# Altium PCB DM1090FFC.PcbDoc (part 3 of 4)
Units mm, origin at the board's own origin, x right, y up, seen from the top; angles counter-clockwise.
Board outline 60 x 40 mm, 4 copper layers (Top Copper, Signal Layer 1, Layer 1, Bottom Layer), stack 1.602 mm thick; 129 components, 113 nets, 573 pads, 444 vias.
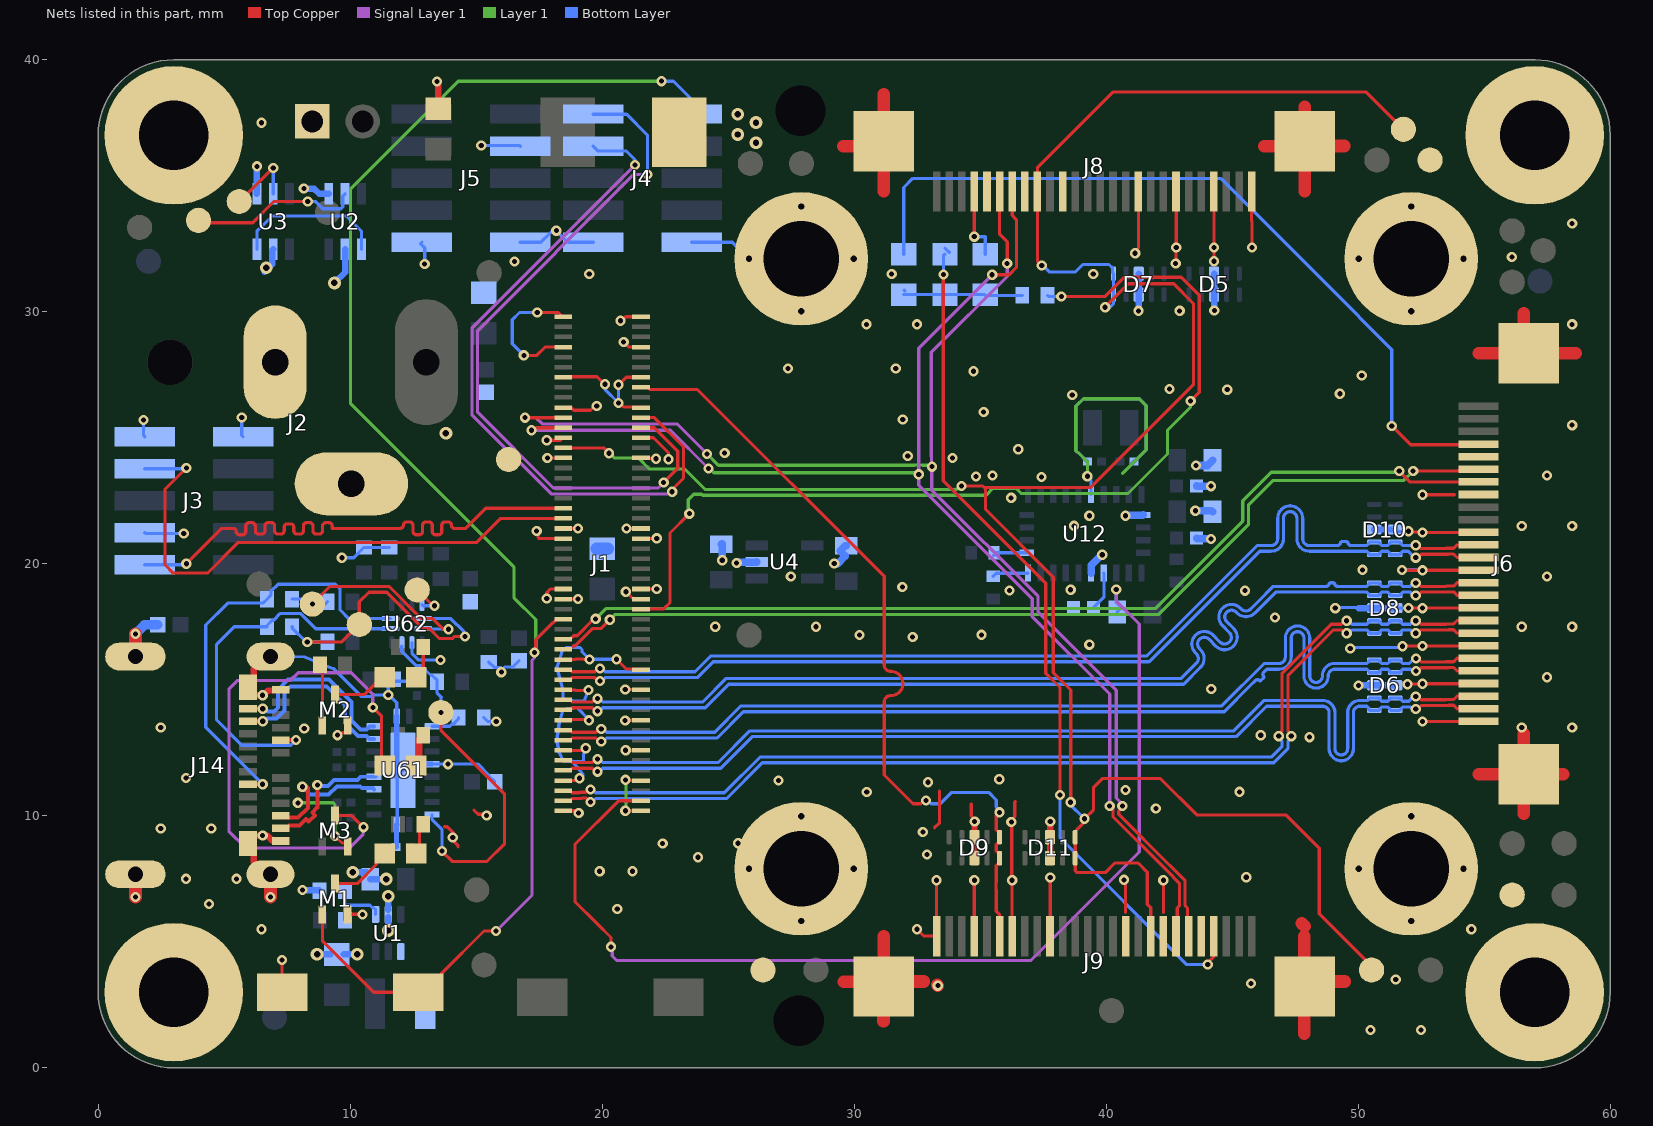
[diagram p5: the nets of this part, all layers, seen from the top]

## Via types
v1: diameter 0.406, hole 0.203, Top Copper to Bottom Layer, tented both sides, 378 vias
v2: diameter 0.508, hole 0.254, Top Copper to Bottom Layer, tented both sides, 47 vias
v3: diameter 0.508, hole 0.254, Top Copper to Bottom Layer, 16 vias
v4: diameter 0.406, hole 0.203, Top Copper to Bottom Layer, 3 vias

## Nets (pads, with @x,y where several pads share a name; then routed paths per layer and width w, separated by ;. In a path a pad name is that pad's centre, name@x,y a point inside that pad or via, vN(x,y) a via of type N, cw(c..) or ccw(c..) an arc to the next point about the centre after c; other vN are vias at no path point) (continued)
CAM_R_D1_P: D9.5 D9.6 J1.86 J9.6 | length 32.5
  Top Copper w0.127: J1.86@21.54,27 21.8,27 21.886,26.914 23.779,26.914 31.19,19.503 31.19,17.926 31.19,16.166 31.19,15.986 ccw(c31.444,15.986) 31.442,15.732 ; 31.442,15.732 31.454,15.732 cw(c31.451,15.25) 31.448,14.768 ; 31.446,14.768 ccw(c31.444,14.514) 31.19,14.514 31.19,13.686 31.19,11.621 32.333,10.477 32.641,10.477 32.774,10.611 v1(32.85,10.611) ; v1(35.768,10.138) 35.764,10.138 35.634,10.007 35.634,9.446 35.709,9.372 35.733,9.372 35.77,9.335 D9.6@35.77,9.152 35.77,8.97 35.733,8.933 35.709,8.933 35.634,8.859 35.634,8.611 35.709,8.537 35.733,8.537 35.77,8.5 D9.5@35.77,8.317 35.77,8.135 35.733,8.098 35.709,8.098 35.634,8.024 35.634,7.368 35.632,7.365 35.632,7.065 35.634,7.062 35.634,6.97 35.633,6.969 35.633,6.513 35.634,6.512 35.634,6.213 35.77,6.077 J9.6@35.77,5.427
  Bottom Layer w0.127: v1(32.85,10.611) 32.926,10.611 33.059,10.477 33.417,10.477 33.867,10.927 35.333,10.927 35.634,10.626 35.634,10.346 35.768,10.213 v1(35.768,10.138)
CAM_ST_CLK_OUT: D7.5 D7.6 D11.5 D11.6 J1.73 J8.18 J9.18 TP5.1 TP11.1 | length 99.5
  Top Copper w0.127: J1.73@18.46,24.6 20.061,24.6 v1(20.275,24.384) v1(20.275,24.384) ; v1(34.26,23.091) 35.089,23.091 35.15,23.03 35.215,23.03 ; v1(37.44,31.84) 37.27,32.01 J8.18@37.27,34.773 37.27,35.72 40.265,38.715 50.315,38.715 TP11.1@51.79,37.24 ; v1@38.538,10.488 v1(38.59,10.54) 38.59,14.993 37.9,15.683 37.9,19.47 35.215,22.155 35.215,23.03 ; v1(39.957,30.18) 39.957,30.197 40.87,31.11 42.68,31.11 43.461,30.329 43.461,27.1 39.391,23.03 35.215,23.03 ; J9.18@41.77,5.977 41.767,5.98 41.767,6.355 41.632,6.49 41.632,7.759 41.265,8.126 40.345,8.126 39.967,7.747 38.85,7.747 38.77,7.827 D11.5@38.77,8.317 D11.6@38.77,9.152 38.807,9.189 38.807,9.421 39.083,9.698 39.083,9.829 v1(39.137,9.882) 39.5,10.245 39.5,11.138 39.838,11.476 42.152,11.476 43.59,10.038 47.122,10.038 48.45,8.71 48.45,6.112 50.53,4.032 TP5.1@50.53,3.88
  Layer 1 w0.127: v1(20.275,24.384) 20.29,24.384 20.474,24.2 21.433,24.2 21.872,23.761 23.269,23.761 24.079,22.951 34.047,22.951 34.072,22.977 34.186,22.977 34.26,23.051 v1(34.26,23.091)
  Bottom Layer w0.127: v1@37.467,31.85 37.737,31.58 38.78,31.58 39.075,31.875 40.11,31.875 40.253,31.732 40.253,31.549 D7.6@40.29,31.513 D7.5@40.29,30.678 40.29,30.315 v1@40.109,30.134 ; v1@38.536,10.483 v1(39.137,9.882) ; v1(38.59,10.54) 38.611,10.54 v1@38.666,10.485
CAP: C46.1 U12.9 | length 1.5
  Bottom Layer w0.127: C46.1@39.499,18.268 39.908,18.677 39.908,19.617 U12.9@39.9,19.626
CC1: J14.A5 RZ28.2 U62.1 | length 14.9
  Top Copper w0.158: J14.A5@7.25,13 7.252,13.002 7.846,13.002 v1(7.849,13.005)
  Bottom Layer w0.127: v1(7.849,13.005) 7.644,12.8 5.7,12.8 4.7,13.8 4.7,16.8 5.4,17.5 RZ28.2@6.7,17.5 6.7,17.55 6.912,17.761 6.962,17.761 7.231,18.031 8.024,18.031 8.631,17.425 U62.1@11.6,17.425
CC2: J14.B5 RZ29.2 U62.2 | length 17
  Top Copper w0.152: J14.B5@5.95,11.25 5.951,11.251 6.527,11.251 v1(6.528,11.252)
  Bottom Layer w0.127: v1(6.528,11.252) 4.271,13.509 4.271,17.571 5.139,18.439 6.538,18.439 RZ29.2@6.7,18.6 6.858,18.758 6.858,18.908 7.14,19.19 9.41,19.19 9.6,19 9.6,18.167 9.942,17.825 U62.2@11.6,17.825
COM_AUX_IO2: J1.42 R14.1 | length 39.1
  Top Copper w0.127: J1.42@21.54,18.2 22.43,18.2 22.69,18.46 22.69,21.22 v1(23.46,21.99) ; v1(38.22,30.61) 39.96,30.61 40.72,31.37 42.98,31.37 43.69,30.66 43.69,26.8 v1(43.35,26.46)
  Layer 1 w0.127: v1(23.46,21.99) 23.414,22.036 23.414,22.544 23.63,22.759 23.947,22.759 23.984,22.722 35.232,22.722 35.505,22.995 36.425,22.995 36.631,22.789 40.866,22.789 42.433,24.356 42.433,25.303 43.35,26.22 v1(43.35,26.46)
  Bottom Layer w0.127: R14.1@37.67,30.65 37.71,30.61 v1(38.22,30.61)
ENV_SCL: R5.2 U12.15 | length 1.4
  Bottom Layer w0.127: R5.2@35.519,19.504 35.642,19.626 U12.15@36.9,19.626
ENV_SDA: R1.2 U12.16 | length 1.4
  Bottom Layer w0.127: R1.2@35.514,20.323 35.63,20.439 U12.16@36.837,20.439
FB_3V3: R2.1 R8.2 U1.1 | length 2.7
  Bottom Layer w0.127: R8.2@9.79,7.03 9.79,6.45 ; R2.1@9.8,5.86 9.79,5.87 9.79,6.45 ; U1.1@11.01,6.09 11.01,6.275 10.924,6.362 10.871,6.362 10.782,6.45 9.79,6.45
FSIN1: J8.23 R12.2 | length 2.9
  Top Copper w0.127: v1(34.764,32.979) 34.764,34.767 J8.23@34.77,34.773
  Bottom Layer w0.127: v1(34.764,32.979) 35.2,32.979 R12.2@35.2,32.28
FSIN2: J9.23 R13.2 | length 33.8
  Top Copper w0.127: v1(33.54,31.48) 33.534,31.474 33.534,23.296 37.6,19.23 37.6,15.66 38.168,15.092 v1(38.168,10.83) ; v1(44.03,4.095) 44.03,4.171 44.263,4.404 44.263,4.464 J9.23@44.27,4.47
  Bottom Layer w0.127: v1(33.54,31.48) 33.54,32.22 R13.2@33.6,32.28 ; R13.2@33.6,32.53 R13.2@33.77,32.36 ; v1(38.168,10.83) 38.168,9.122 43.195,4.095 v1(44.03,4.095)
FSIN3: J6.23 R10.2 | length 31.8
  Top Copper w0.127: v1(51.33,25.47) 52.08,24.72 54.74,24.72 J6.23@54.77,24.75
  Bottom Layer w0.127: R10.2@31.97,32.28 31.97,34.93 32.33,35.29 44.54,35.29 48.724,31.106 51.33,28.5 v1(51.33,25.47)
GND: B1.1 C1.1 C2.2 C3.1 C4.1 C5.1 C6.1 C7.1 C8.1 C9.1 C10.1 C42.1 C43.1 C44.1 C45.1 C46.2 C47.1 C48.1 C73.1 C74.1 C76.1 C207.1 D3.2 D5.3 D5.8 D6.3 D6.8 D7.3 D7.8 D8.3 D8.8 D9.3 D9.8 D10.3 D10.8 D11.3 D11.8 J1.1 J1.2 J1.7 J1.8 J1.13 J1.14 J1.19 J1.20 J1.25 J1.26 J1.30 J1.31 J1.43 J1.44 J1.45 J1.46 J1.55 J1.56 J1.57 J1.58 J1.71 J1.72 J1.75 J1.76 J1.81 J1.82 J1.87 J1.88 J1.93 J1.94 J1.99 J1.100 J2.2 J2.3 J3.3 J3.9 J3.10 J4.9 J4.10 J5.3 J5.9 J5.10 J6.1 J6.4 J6.7 J6.10 J6.13 J6.16 J6.19 J6.22 J6.MP1 J6.MP2 J7.P1 J8.1 J8.4 J8.7 J8.10 J8.16 J8.19 J8.22 J8.MP1 J8.MP2 J9.1 J9.4 J9.7 J9.10 J9.16 J9.19 J9.22 J9.MP1 J9.MP2 J14.A1 J14.A12 J14.B1 J14.B12 J14.SH1 J14.SH2 J14.SH3 J14.SH4 M1.2 M2.2 M3.2 MTG1.1 MTG2.1 MTG3.1 MTG4.1 MTG7.1 MTG8.1 MTG9.1 MTG10.1 R8.1 R31.2 R32.2 R183.1 R185.2 TP14.1 TP15.1 TP16.1 TP17.1 U1.2 U2.2 U2.4 U3.2 U3.4 U4.2 U12.2 U12.10 U12.25 U61.5 U61.11 U61.20 U61.21 U62.10 | length 233.3
  Top Copper w0.127: B1.1@7.3,3 v1(7.3,4.277) ; v1(9.4,9.2) 9.678,8.922 9.813,8.922 9.9,8.835 M3.2@9.9,8.79 ; v1(9.5,13.2) 9.576,13.2 9.674,13.299 9.882,13.299 9.913,13.33 9.913,13.517 M2.2@9.986,13.59 ; M1.2@10,6.09 10.37,6.09 10.378,6.082 v1(10.495,6.082) ; 13.752,9.563 13.858,9.563 14.097,9.324 14.097,9.013 14.275,8.835 14.275,8.76 ; 14.91,10.236 14.91,10.229 15.078,10.061 15.364,10.061 v1(15.418,10.008) ; v1(16.891,28.27) 17.405,28.27 17.735,28.6 J1.93@18.435,28.6 ; v1(17.4,21.3) 17.453,21.246 17.453,21.046 17.5,21 J1.55@18.435,21 ; v1(17.424,29.972) 18.263,29.972 J1.99@18.435,29.8 ; v1(17.8,18.62) 17.8,18.856 17.944,19 J1.45@18.435,19 ; v1(17.8,24.9) 18.335,24.9 J1.75@18.435,25 ; v1(17.824,24.2) J1.71@18.435,24.2 ; J1.7@18.435,11.4 J1.7@18.46,11.4 19.013,11.4 v1(19.102,11.489) ; J1.31@18.435,16.2 J1.31@18.46,16.2 18.925,16.2 18.947,16.222 19.253,16.222 19.275,16.2 v1(19.502,16.2) ; J1.43@18.435,18.6 J1.43@18.46,18.6 v1(19.038,18.6) ; J1.57@18.435,21.4 J1.57@18.46,21.4 v1(19.038,21.4) ; J1.25@18.449,14.986 18.939,14.986 18.947,14.978 19.442,14.978 v1(19.453,14.989) ; J1.87@18.451,27.416 18.457,27.422 19.796,27.422 20.094,27.124 v1(20.115,27.124) ; J1.1@18.46,10.2 18.985,10.2 v1(19.068,10.116) ; J1.13@18.46,12.6 18.7,12.6 18.71,12.59 19.257,12.59 v1(19.348,12.682) ; J1.19@18.46,13.825 19.44,13.825 v1(19.478,13.787) ; J1.81@18.46,26.2 18.487,26.174 18.797,26.174 18.88,26.09 19.539,26.09 19.712,26.263 v1(19.787,26.263) ; v1(20.569,16.213) 20.956,15.827 21.514,15.827 J1.30@21.54,15.8 ; v1(20.648,26.379) 20.699,26.379 20.862,26.216 21.524,26.216 J1.82@21.54,26.2 ; v1(20.652,27.103) 20.948,27.4 J1.88@21.54,27.4 ; v1(20.726,29.642) 20.782,29.642 20.94,29.8 J1.100@21.54,29.8 J1.100@21.565,29.8 ; v1(20.853,28.804) 21.057,28.6 J1.94@21.54,28.6 ; v1(20.912,13.784) 20.92,13.792 21.532,13.792 J1.20@21.54,13.8 ; v1(20.919,10.2) J1.2@21.54,10.2 J1.2@21.565,10.2 ; v1(20.918,15.016) 20.926,15.008 21.532,15.008 J1.26@21.54,15 ; v1(20.922,11.428) 20.95,11.4 J1.8@21.54,11.4 ; v1(20.931,12.6) J1.14@21.54,12.6 J1.14@21.565,12.6 ; v1(20.94,18.89) 21.203,18.627 21.514,18.627 J1.44@21.54,18.6 ; v1(20.962,21.4) J1.58@21.54,21.4 J1.58@21.565,21.4 ; J1.46@21.565,19 v1(22.168,19) ; J1.56@21.565,21 21.569,21.004 22.164,21.004 v1(22.168,21.008) ; J1.72@21.565,24.2 21.582,24.183 22.116,24.183 v1(22.134,24.165) ; J1.76@21.565,25 22.038,25 22.631,24.407 v1(22.631,24.147) ; v1(32.487,5.5) 32.498,5.5 32.771,5.227 J9.1@33.27,5.227 33.27,6.278 33.267,6.281 v1(33.267,7.444) ; 33.184,9.521 33.389,9.725 33.389,10.988 ; 34.641,10.463 34.641,9.992 34.775,9.858 v1@34.775,9.773 ; v1(34.767,7.444) 34.767,5.23 J9.4@34.77,5.227 ; J9.7@36.27,5.227 36.267,5.23 v1(36.267,7.444) 36.251,7.461 36.251,9.737 v1(36.235,9.754) 36.235,9.829 36.373,9.967 36.373,10.543 36.4,10.57 ; J9.10@37.77,5.227 37.78,5.237 v1(37.78,7.55) ; v1(40.71,7.46) 40.767,7.403 40.767,6.174 ; v1(41.149,32.321) 41.149,32.397 41.28,32.528 J8.10@41.28,34.773 ; 42.267,6.175 v1(42.267,7.444) ; v1(42.754,31.912) 42.767,31.925 42.767,32.54 v1(42.78,32.553) 42.775,32.558 42.775,34.768 J8.7@42.77,34.773 ; J8.4@44.27,34.773 44.275,34.768 44.275,32.558 v1(44.28,32.553) 44.278,32.551 44.278,32.008 v1(44.276,32.005) ; J8.1@45.77,34.773 45.77,33.602 45.78,33.592 v1(45.78,32.553) ; v1(51.74,19.754) 51.747,19.747 52.543,19.747 v1(52.55,19.74) 54.76,19.74 J6.13@54.77,19.75 ; v1(51.752,16.727) 51.758,16.734 52.544,16.734 v1(52.55,16.74) 54.76,16.74 J6.7@54.77,16.75 ; v1(51.956,15.219) 51.966,15.229 52.539,15.229 v1(52.55,15.24) 54.76,15.24 J6.4@54.77,15.25 ; v1(51.99,18.247) 51.994,18.244 52.546,18.244 v1(52.55,18.24) 54.76,18.24 J6.10@54.77,18.25 ; v1(51.99,21.293) 52.016,21.266 52.524,21.266 v1(52.55,21.24) 54.76,21.24 J6.16@54.77,21.25 ; v1(52.55,13.74) 54.76,13.74 J6.1@54.77,13.75 ; v1(52.55,22.74) 53.82,22.74 ; J6.MP2@56.67,27.85 56.73,27.91 56.73,28.35 J6.MP2@56.73,29.46
  Top Copper w0.25: J14.SH4@6.84,7.68 6.67,7.68 6.175,8.175 6.175,8.675 5.95,8.9 6.27,9.22 v1(6.528,9.22) 6.709,9.22 6.93,9 J14.A12@7.25,9 ; J14.SH1@6.84,16.32 6.67,16.32 6.175,15.825 6.175,15.621 6.175,15.325 J14.B12@5.95,15.1 5.95,15.008 6.175,14.783 v1(6.528,14.783) 6.56,14.783 6.752,14.975 7.225,14.975 J14.A1@7.25,15
  Top Copper w0.254: J7.P1@7.97,37.02 J7.P1@8.5,37.55 ; v1(13.446,39.139) 13.446,39.098 13.5,39.043 C3.1@13.5,38.05 ; D9.3@34.77,8.317 34.775,8.323 v1@34.775,9.773 ; D11.3@37.77,8.317 37.775,8.323 37.775,9.773 v1(37.78,9.778)
  Top Copper w0.5: 29.574,36.568 J8.MP2@31.165,36.568 ; 29.59,3.419 31.162,3.419 J9.MP1@31.165,3.422 ; 31.162,1.856 J9.MP1@31.162,3.019 ; 31.165,5.218 J9.MP1@31.165,3.422 ; J9.MP1@31.17,3.327 J9.MP1@31.17,3.427 ; J9.MP1@31.17,3.827 J9.MP1@31.17,3.427 ; 31.17,34.777 J8.MP2@31.17,36.773 31.17,38.635 ; 32.761,3.427 J9.MP1@31.17,3.427 ; v1@33.29,3.29 v1(33.32,3.26) ; 46.274,36.568 J8.MP1@47.865,36.568 ; 47.757,5.736 47.87,5.623 ; 47.865,1.36 47.865,5.218 ; J9.MP2@47.866,3.823 J9.MP2@47.875,3.832 ; J9.MP2@47.87,3.427 49.461,3.427 ; 47.87,34.777 J8.MP1@47.87,36.573 ; J8.MP1@47.874,36.577 49.445,36.577 ; J8.MP1@47.874,36.977 47.874,38.139 ; 54.774,11.65 J6.MP1@56.57,11.65 ; 54.774,28.35 J6.MP2@56.67,28.35 ; J6.MP1@56.565,11.655 56.565,13.246 ; J6.MP2@56.565,28.355 56.565,29.946 ; 56.574,10.075 J6.MP1@56.574,11.646 ; J6.MP2@56.67,27.85 J6.MP2@56.67,28.35 ; J6.MP1@56.974,11.646 58.136,11.646 ; 58.632,28.35 J6.MP2@56.77,28.35 56.73,28.35 J6.MP2@56.67,28.35 ; J9.MP1@31.165,3.422 J9.MP1@31.17,3.427
  Top Copper w0.508: v1(1.48,6.78) J14.SH3@1.48,7.68 ; J14.SH2@1.48,16.32 v1(1.48,17.22) ; v1(6.84,6.78) J14.SH4@6.84,7.68
  Layer 1 w0.127: v1(7.925,10.516) 9.326,10.516 9.4,10.441 v1(9.4,9.2) ; v1(20.919,10.2) 20.95,10.232 20.95,11.4 v1(20.922,11.428) ; v1(39.252,23.474) 39.252,24.066 39.232,24.066 38.884,24.414 38.868,24.414 38.794,24.489 38.794,26.243 39.099,26.548 41.309,26.548 41.588,26.269 41.588,24.527 40.651,23.589
  Bottom Layer w0.127: v1(1.8,25.7) 1.8,25.09 J3.9@1.85,25.04 ; J3.3@1.85,21.23 1.88,21.2 v1(3.4,21.2) ; v1(5.7,25.8) 5.7,25.09 J3.10@5.75,25.04 ; J14.SH1@6.84,16.32 8.2,16.3 9.347,15.833 10.441,14.74 10.884,14.74 10.94,14.795 v1(11.513,14.795) ; v1(9.672,20.241) 10.142,20.241 R31.2@10.55,20.65 R32.2@11.55,20.65 ; U61.11@11.85,9.65 11.87,9.67 11.87,11.57 U61.21@12.1,11.8 U61.21@12.35,12.05 ; U61.20@11.85,13.95 11.85,14.486 11.513,14.824 11.513,15.237 C76.1@11.7,15.425 11.788,15.337 C10.1@12.655,15.337 ; U62.10@12.45,16.875 12.45,16.455 12.725,16.18 v1(13.589,16.18) ; J5.10@12.85,32.76 12.79,32.7 12.957,32.533 v1(12.957,31.9) ; U61.5@13.25,12.05 v1(13.883,12.05) 15.078,12.05 15.487,11.641 15.487,11.6 C74.1@15.734,11.354 ; v1(15.2,36.6) 16.72,36.6 J5.3@16.75,36.57 ; R185.2@15.3,13.9 15.459,13.741 v1(15.799,13.741) ; R183.1@15.5,16.1 15.712,15.889 15.962,15.889 16,15.85 v1@16,15.774 ; v1(16,15.7) v1@16,15.774 ; C73.1@16.7,16.15 16.454,15.904 16.129,15.904 v1@16,15.774 ; J5.9@16.75,32.76 17.57,32.76 17.974,33.164 18.129,33.164 v1(18.183,33.217) ; v1(16.891,28.27) 16.434,28.727 16.434,29.686 16.72,29.972 v1(17.424,29.972) ; v1@18.2,33.2 18.64,32.76 J4.10@19.65,32.76 ; 18.4,16.5 18.2,15.9 18.442,14.993 18.452,14.583 19.272,14.545 19.456,14.986 v1(19.453,14.989) ; 18.572,16.672 19.126,16.672 19.2,16.598 19.2,16.502 v1(19.502,16.2) 19.518,16.216 20.566,16.216 v1(20.569,16.213) ; v1(19.102,11.489) 19.222,11.489 19.229,11.637 19.229,11.659 18.812,12.166 ; v1(19.348,12.682) 19.295,12.628 19.295,12.5 19.262,12.467 19.262,12.162 19.246,12.146 19.129,12.152 18.812,12.166 ; v1(19.478,13.787) 19.49,13.799 19,14.3 18.452,14.217 18.3,13.7 18.2,13 18.3,12.5 18.452,12.183 18.812,12.166 ; v1(20.115,27.124) 20.115,26.911 v1(20.648,26.379) 20.652,26.382 v1(20.652,27.103) ; J4.9@23.55,32.76 25.165,32.76 v3(25.825,32.1) ; U12.25@39.4,22.751 39.4,23.326 v1(39.252,23.474) C47.1@39.252,24.066 39.232,24.066 38.884,24.414 38.868,24.414 38.794,24.489 38.794,26.243 39.099,26.548 41.309,26.548 41.588,26.269 41.588,24.527 41.128,24.066 C48.1@41.108,24.066 41.088,24.066 C48.1@40.991,23.97 ; v1(49.09,18.24) 49.114,18.264 49.99,18.264 50.019,18.235 ; v1(49.685,16.637) 49.73,16.682 51.707,16.682 v1(51.752,16.727) ; D8.8@51.465,18.235 D8.8@51.47,18.24 51.48,18.25 v1@51.99,18.25 ; D10.8@51.47,21.36 51.549,21.281 v1@51.99,21.281 ; v1(51.74,19.754) 51.746,19.76 v1@52.55,19.76
  Bottom Layer w0.203: C9.1@11.824,8.756 11.837,8.769 11.837,9.637 U61.11@11.85,9.65 ; U61.21@11.85,11.55 U61.20@11.85,13.95 ; U61.21@12.35,12.05 U61.5@13.25,12.05
  Bottom Layer w0.254: U3.4@6.3,34.68 6.285,34.695 6.3,34.71 v1(6.3,35.769) ; v2@6.603,31.584 v2@6.67,31.651 ; v2(6.67,31.747) v2@6.67,31.651 ; U3.2@6.95,32.48 6.902,32.432 6.902,31.883 v2@6.67,31.651 ; J2.3@7.025,28 J2.3@7.1,27.925 ; v1(8.11,7.06) 8.125,7.045 8.775,7.045 R8.1@8.79,7.03 ; v1(8.163,34.887) 8.569,34.887 8.776,34.68 U2.4@9.15,34.68 ; v2(8.689,4.506) C2.2@9.219,4.506 ; v2(9.375,31.145) 9.8,31.571 U2.2@9.8,32.48 ; C2.2@9.754,4.506 v2(10.284,4.506) ; v2(10.107,7.763) C1.1@10.637,7.763 ; C1.1@10.8,7.48 11.42,7.48 v2(11.43,7.49) ; v2(11.51,5.45) U1.2@11.51,5.98 ; U1.2@11.51,6.28 v2(11.51,6.81) ; v1(41.283,30.037) 41.287,30.041 41.287,30.674 D7.3@41.29,30.678 ; D7.8@41.29,31.513 41.295,31.508 D7.3@41.295,30.678 ; D5.8@44.28,31.513 44.285,31.508 44.285,30.057 v1(44.29,30.053) ; v1(50.01,15.17) 50.015,15.175 51.465,15.175 D6.8@51.47,15.18 ; 50.019,18.235 D8.8@51.465,18.235 ; D10.3@50.635,21.36 D10.8@51.47,21.36
  Bottom Layer w0.3: C6.1@24.722,20.771 24.754,20.803 24.767,20.79 v1(24.767,20.138) ; v1@25.341,20.04 25.356,20.055 26.121,20.055 U4.2@26.137,20.071 ; v1(29.209,20.009) 29.344,20.009 29.644,20.309 29.444,20.509 29.644,20.709 C7.1@29.684,20.709 ; U12.10@39.4,19.626 39.4,19.944 39.794,20.338 39.824,20.338 v1(39.844,20.359) ; v1(40.765,21.905) 40.782,21.922 41.445,21.922 U12.2@41.462,21.939 ; v1(43.537,22.105) 44.174,22.105 C42.1@44.22,22.059 ; v1(43.566,23.9) 44.02,23.9 44.22,24.1 C43.1@44.22,24.109 ; C45.1@43.584,21.019 43.605,20.999 44.134,20.999 v1(44.154,20.979) ; C44.1@43.584,23.089 43.589,23.084 44.15,23.084 v1(44.154,23.079)
  Bottom Layer w0.381: v1(1.48,17.22) 1.837,17.577 C207.1@2.369,17.577
  Bottom Layer w0.508: C4.1@19.788,20.6 C4.1@20,20.6 C4.1@20.212,20.6
  other v1: 50.487,1.5 52.487,1.5 45.749,3.343 51.487,3.5 6.487,5.5 54.487,5.5 20.6,6.3 4.4,6.5 3.487,7.5 5.487,7.5 45.557,7.564 19.9,7.8 21.2,7.8 23.806,8.358 32.89,8.46 22.4,8.9 25.395,8.913 14.072,9.144 32.724,9.353 2.487,9.5 4.487,9.5 34.78,9.778 41.97,10.29 30.5,10.94 45.29,10.95 40.764,11.027 32.927,11.329 27,11.4 35.754,11.452 3.487,11.5 48.07,13.12 46.13,13.196 8.181,13.464 2.487,13.5 56.487,13.5 58.487,13.5 44.168,15.03 57.487,15.5 39.33,16.79 32.32,17.09 30.21,17.17 35.05,17.18 24.487,17.5 28.487,17.5 56.487,17.5 58.487,17.5 46.695,17.864 36.16,18.94 45.509,18.933 38.588,18.97 31.91,19.08 27.487,19.5 57.487,19.5 50.17,19.76 25.337,20.033 38.723,21.506 56.487,21.5 58.487,21.5 39.331,21.905 36.227,22.617 34.83,23.46 37.428,23.448 35.487,23.5 57.487,23.5 33.902,24.2 32.124,24.276 24.861,24.393 36.507,24.546 58.487,25.5 31.925,25.721 35.138,26.027 38.65,26.7 49.27,26.749 44.8,26.91 42.516,26.936 50.14,27.47 34.733,27.64 27.37,27.75 31.65,27.75 30.487,29.5 32.487,29.5 58.487,29.5 42.913,30.037 19.487,31.5 31.487,31.5 39.487,31.5 16.52,31.99 56.095,32.17 58.487,33.5 6.487,37.5
  other v2: 13.8,25.178 26.103,36.706 25.383,37.035 26.103,37.507 25.383,37.835
  other v3: 27.9,5.825 52.1,5.825 25.825,7.9 29.975,7.9 50.025,7.9 54.175,7.9 27.9,9.975 52.1,9.975 27.9,30.025 52.1,30.025 29.975,32.1 50.025,32.1 54.175,32.1 27.9,34.175 52.1,34.175
I2C1_SCL: J1.35 J6.20 | length 39
  Top Copper w0.127: J1.35@18.46,17 18.72,17 18.865,17.145 19.005,17.145 19.676,17.816 v1(19.741,17.816) ; v1(51.627,23.678) 51.627,23.671 52.058,23.24 54.01,23.24 J6.20@54.02,23.25
  Layer 1 w0.127: v1(19.741,17.816) 20.147,18.222 41.942,18.222 45.415,21.695 45.415,22.495 46.55,23.63 51.579,23.63 v1(51.627,23.678)
I2C1_SDA: J1.33 J6.21 | length 38.9
  Top Copper w0.127: J1.33@18.46,16.6 18.72,16.6 18.865,16.745 18.928,16.745 19.62,17.437 19.962,17.437 v1(20.305,17.781) ; v1@52.203,23.68 53.95,23.68 J6.21@54.02,23.75
  Layer 1 w0.127: v1(20.305,17.781) 20.518,17.993 42.083,17.993 45.644,21.554 45.644,22.322 46.631,23.31 51.81,23.31 v1(52.18,23.68)
I2C2_SCL: J1.77 J8.20 J9.20 | length 52.6
  Top Copper w0.127: v1(17.2,25.3) 17.276,25.3 17.376,25.4 J1.77@18.435,25.4 ; v1(35.474,31.467) 36.148,31.467 36.438,31.757 36.438,33.655 36.27,33.823 J8.20@36.27,34.773 ; v1(40.137,10.39) 40.27,10.257 40.27,9.96 42.418,7.813 42.42,7.813 42.903,7.33 42.903,6.426 42.82,6.343 42.82,6.027 J9.20@42.77,5.977
  Signal Layer 1 w0.127: v1(17.2,25.3) 22.7,25.3 v1(24.22,23.78) ; v1(35.474,31.467) 32.56,28.552 32.56,23.117 37.067,18.61 37.067,17.905 40.14,14.832 40.14,10.393 v1(40.137,10.39)
  Layer 1 w0.127: v1(24.22,23.78) 24.264,23.78 24.434,23.61 32.498,23.61 v1(32.56,23.548)
I2C2_SDA: J1.79 J8.21 J9.21 | length 53
  Top Copper w0.127: v1(16.942,25.799) 16.944,25.796 18.431,25.796 J1.79@18.435,25.8 ; J8.21@35.77,34.773 35.77,33.07 36.07,32.77 v1(36.07,31.91) ; v1(40.64,10.39) 40.64,10.331 40.499,10.19 40.499,10.055 42.512,8.041 42.515,8.041 43.132,7.424 43.132,6.436 43.225,6.343 43.225,6.022 J9.21@43.27,5.977
  Signal Layer 1 w0.127: v1(16.942,25.799) 17.371,25.799 17.62,25.55 22.971,25.55 v1(24.16,24.36) ; v1(36.07,31.91) 36.07,31.4 33.06,28.39 33.06,24.27 33.066,24.264 33.066,23.878 v1(33.089,23.855) 33.08,23.845 33.08,22.92 37.295,18.705 37.295,18.082 40.4,14.977 40.4,10.706 40.64,10.466 v1(40.64,10.39)
  Layer 1 w0.127: v1(24.16,24.36) 24.614,23.907 32.398,23.907 32.408,23.917 32.713,23.917 32.722,23.907 33.036,23.907 v1(33.089,23.855)
I2C3_SCL: J1.78 J4.2 | length 28.6
  Top Copper w0.127: J1.78@21.565,25.4 22.07,25.4 22.999,24.471 22.999,23.789 v1(22.44,23.23)
  Signal Layer 1 w0.127: v1(21.8,35.45) 21.26,35.45 15.059,29.249 15.059,26.011 18.063,23.007 22.217,23.007 v1(22.44,23.23)
  Bottom Layer w0.127: J4.2@19.65,37.84 20.97,37.84 21.8,37.01 v1(21.8,35.45)
I2C3_SDA: J1.80 J4.4 | length 28.1
  Top Copper w0.127: J1.80@21.565,25.8 22.07,25.8 23.228,24.642 23.228,23.399 22.777,22.947 v1(22.777,22.86)
  Signal Layer 1 w0.127: v1(21.3,35.818) 21.3,35.813 14.83,29.343 14.83,25.917 17.973,22.774 22.691,22.774 v1(22.777,22.86)
  Bottom Layer w0.127: J4.4@19.65,36.57 19.846,36.374 20.966,36.374 21.3,36.04 v1(21.3,35.818) ; v1(22.777,22.86) v1@22.839,22.86
MIPI_C_N: D8.1 D8.10 J1.3 J6.8 | length 41.3
  Top Copper w0.127: J1.3@18.46,10.6 18.72,10.6 18.806,10.686 19.19,10.686 19.211,10.707 19.377,10.707 v1@19.432,10.652 ; v1(47.342,13.16) 47.342,13.236 47.209,13.369 47.209,15.564 49.02,17.376 49.331,17.376 49.464,17.242 v1(49.54,17.242) ; v1(52.28,17.242) 52.356,17.242 52.489,17.376 53.57,17.376 53.579,17.386 53.784,17.386 53.92,17.25 J6.8@54.57,17.25
  Bottom Layer w0.127: v1(19.533,10.552) 19.608,10.552 19.742,10.686 24.942,10.686 26.358,12.101 46.645,12.101 47.209,12.665 47.209,12.951 47.342,13.084 v1(47.342,13.16) ; v1(49.54,17.242) 49.616,17.242 49.749,17.376 50.342,17.376 50.416,17.301 50.416,17.277 50.453,17.24 D8.1@50.635,17.24 50.818,17.24 50.854,17.277 50.854,17.301 50.928,17.376 51.177,17.376 51.251,17.301 51.251,17.277 51.287,17.24 D8.10@51.47,17.24 51.653,17.24 51.689,17.277 51.689,17.301 51.763,17.376 52.071,17.376 52.204,17.242 v1(52.28,17.242)
MIPI_C_P: D8.2 D8.9 J1.5 J6.9 | length 41.4
  Top Copper w0.127: J1.5@18.46,11 18.72,11 18.806,10.914 19.095,10.914 19.117,10.936 19.345,10.936 19.457,11.048 v1@19.485,11.048 ; v1(46.847,13.16) 46.847,13.236 46.98,13.369 46.98,15.659 48.925,17.604 49.331,17.604 49.464,17.738 v1(49.54,17.738) ; v1(52.28,17.738) 52.356,17.738 52.489,17.604 53.475,17.604 53.485,17.614 53.784,17.614 53.92,17.75 J6.9@54.57,17.75
  Bottom Layer w0.127: v1(19.533,11.048) 19.608,11.048 19.742,10.914 24.848,10.914 26.263,12.33 46.55,12.33 46.98,12.76 46.98,12.951 46.847,13.084 v1(46.847,13.16) ; v1(49.54,17.738) 49.616,17.738 49.749,17.604 50.342,17.604 50.416,17.679 50.416,17.704 50.453,17.74 D8.2@50.635,17.74 50.818,17.74 50.854,17.704 50.854,17.679 50.928,17.604 51.177,17.604 51.251,17.679 51.251,17.704 51.287,17.74 D8.9@51.47,17.74 51.653,17.74 51.689,17.704 51.689,17.679 51.763,17.604 52.071,17.604 52.204,17.738 v1(52.28,17.738)
MIPI_D0_N: D6.1 D6.10 J1.9 J6.2 | length 41.4
  Top Copper w0.127: J1.9@18.46,11.8 18.72,11.8 18.806,11.886 19.603,11.886 19.736,11.752 v1(19.812,11.752) ; v1(52.28,14.242) 52.356,14.242 52.489,14.376 53.57,14.376 53.579,14.386 53.784,14.386 53.92,14.25 J6.2@54.57,14.25
  Bottom Layer w0.127: v1(19.812,11.752) 19.888,11.752 20.021,11.886 24.702,11.886 25.958,13.141 45.151,13.141 46.359,14.349 48.007,14.349 48.59,14.349 cw(c48.59,14.095) 48.844,14.095 48.844,12.667 ccw(c49.326,12.667) 49.808,12.667 49.808,14.095 cw(c50.062,14.095) 50.062,14.349 50.24,14.349 50.342,14.349 50.416,14.275 50.416,14.216 50.453,14.18 D6.1@50.635,14.18 50.818,14.18 50.854,14.216 50.854,14.241 50.928,14.316 51.177,14.316 51.251,14.241 51.251,14.216 51.287,14.18 D6.10@51.47,14.18 51.653,14.18 51.689,14.216 51.689,14.241 51.763,14.316 52.066,14.316 52.086,14.296 52.227,14.296 v1(52.28,14.242)
MIPI_D0_P: D6.2 D6.9 J1.11 J6.3 | length 41.4
  Top Copper w0.127: J1.11@18.46,12.2 18.72,12.2 18.806,12.114 19.603,12.114 19.736,12.248 v1(19.812,12.248) ; v1(52.28,14.738) 52.356,14.738 52.489,14.604 53.475,14.604 53.485,14.614 53.784,14.614 53.92,14.75 J6.3@54.57,14.75
  Bottom Layer w0.127: v1(19.812,12.248) 19.888,12.248 20.021,12.114 24.608,12.114 25.863,13.37 45.057,13.37 46.264,14.578 46.998,14.578 48.007,14.578 48.59,14.578 cw(c48.59,14.095) 49.072,14.095 49.072,12.667 ccw(c49.326,12.667) 49.58,12.667 49.58,14.095 cw(c50.062,14.095) 50.062,14.578 50.24,14.578 50.375,14.578 D6.2@50.409,14.611 ; D6.2@50.453,14.68 D6.2@50.635,14.68 50.818,14.68 50.854,14.643 50.854,14.619 50.928,14.544 51.177,14.544 51.251,14.619 51.251,14.643 51.287,14.68 D6.9@51.47,14.68 51.653,14.68 51.689,14.643 51.689,14.619 51.763,14.544 52.011,14.544 52.204,14.738 v1(52.28,14.738)
MIPI_D1_N: D6.4 D6.7 J1.15 J6.5 | length 41.4
  Top Copper w0.127: J1.15@18.46,13 18.72,13 18.806,13.086 19.755,13.086 19.889,12.952 v1(19.964,12.952) ; v1(52.29,15.742) 52.366,15.742 52.499,15.876 53.569,15.876 53.579,15.886 53.784,15.886 53.92,15.75 J6.5@54.57,15.75
  Bottom Layer w0.127: v1(19.964,12.952) 20.04,12.952 20.173,13.086 24.559,13.086 25.605,14.131 44.681,14.131 45.705,15.155 45.911,15.361 cw(c46.001,15.272) 46.081,15.371 46.083,15.369 ccw(c46.108,15.393) 46.132,15.369 46.245,15.481 ccw(c46.22,15.506) 46.245,15.53 cw(c46.341,15.612) 46.252,15.702 46.329,15.779 cw(c46.419,15.689) 46.41,15.816 46.5,15.816 46.678,15.816 46.856,15.816 ccw(c46.856,16.298) 47.338,16.298 47.338,17.053 cw(c47.592,17.053) 47.845,17.053 47.845,15.548 ccw(c48.328,15.548) 48.81,15.548 48.81,15.562 cw(c49.064,15.562) 49.064,15.816 49.854,15.816 50.342,15.816 D6.4@50.409,15.749 ; D6.4@50.453,15.68 D6.4@50.635,15.68 50.818,15.68 50.854,15.716 50.854,15.741 50.928,15.816 51.177,15.816 51.251,15.741 51.251,15.716 51.287,15.68 D6.7@51.47,15.68 51.653,15.68 51.689,15.716 51.689,15.741 51.763,15.816 52.076,15.816 52.096,15.796 v1@52.309,15.796
MIPI_D1_P: D6.5 D6.6 J1.17 J6.6 | length 41.4
  Top Copper w0.127: J1.17@18.46,13.4 18.72,13.4 18.806,13.314 19.755,13.314 19.889,13.448 v1(19.964,13.448) ; v1(52.29,16.238) 52.366,16.238 52.499,16.104 53.475,16.104 53.485,16.114 53.784,16.114 53.92,16.25 J6.6@54.57,16.25
  Bottom Layer w0.127: v1(19.964,13.448) 20.04,13.448 20.173,13.314 24.464,13.314 25.51,14.36 44.587,14.36 46.271,16.044 46.678,16.044 46.856,16.044 ccw(c46.856,16.298) 47.109,16.298 47.109,17.053 cw(c47.592,17.053) 48.074,17.053 48.074,15.548 ccw(c48.328,15.548) 48.581,15.548 48.581,15.562 cw(c49.064,15.562) 49.064,16.044 49.854,16.044 50.342,16.044 50.416,16.119 50.416,16.144 50.453,16.18 D6.5@50.635,16.18 50.818,16.18 50.854,16.144 50.854,16.119 50.928,16.044 51.177,16.044 51.251,16.119 51.251,16.144 51.287,16.18 D6.6@51.47,16.18 51.653,16.18 51.689,16.144 51.689,16.119 51.763,16.044 52.021,16.044 52.214,16.238 v1(52.29,16.238)
MIPI_D2_N: D8.4 D8.7 J1.21 J6.11 | length 41.4
  Top Copper w0.127: J1.21@18.46,14.2 18.72,14.2 18.806,14.286 19.609,14.286 19.742,14.152 v1(19.812,14.152) v1@19.812,14.279 ; v1(52.28,18.742) 52.356,18.742 52.489,18.876 53.57,18.876 53.579,18.886 53.784,18.886 53.92,18.75 J6.11@54.57,18.75
  Bottom Layer w0.127: v1(19.812,14.152) 19.888,14.152 20.021,14.286 24.089,14.286 25.025,15.221 43.071,15.221 43.74,15.89 ; 43.702,17.005 ccw(c43.891,16.817) 43.703,16.628 ; 43.703,16.628 43.74,16.591 cw(c43.391,16.241) 43.741,16.59 43.774,16.557 43.774,16.554 cw(c43.391,16.241) 43.741,15.891 ; 43.703,17.006 cw(c43.891,16.817) 44.08,17.005 44.35,16.735 ccw(c44.701,17.084) 45.084,17.397 45.084,17.401 45.051,17.434 ccw(c44.701,17.084) 45.05,17.435 44.78,17.705 cw(c44.968,17.894) 44.779,18.082 ; 44.78,18.083 cw(c44.968,17.894) 45.157,18.082 45.194,18.045 ccw(c45.544,18.394) 45.895,18.045 46.429,18.579 ; 46.43,18.58 46.726,18.876 50.342,18.876 50.416,18.801 50.416,18.777 50.453,18.74 D8.4@50.635,18.74 50.818,18.74 50.854,18.777 50.854,18.801 50.928,18.876 51.177,18.876 51.251,18.801 51.251,18.777 51.287,18.74 D8.7@51.47,18.74 51.653,18.74 51.689,18.777 51.689,18.801 51.763,18.876 52.071,18.876 52.204,18.742 v1(52.28,18.742)
MIPI_D2_P: D8.5 D8.6 J1.23 J6.12 | length 41.4
  Top Copper w0.127: J1.23@18.46,14.6 18.72,14.6 18.806,14.514 19.609,14.514 19.742,14.648 v1(19.812,14.648) ; v1(52.28,19.238) 52.356,19.238 52.489,19.104 53.475,19.104 53.485,19.114 53.784,19.114 53.92,19.25 J6.12@54.57,19.25
  Bottom Layer w0.127: v1(19.812,14.648) 19.888,14.648 20.021,14.514 23.994,14.514 24.93,15.45 42.977,15.45 43.453,15.927 43.578,16.052 ; 43.578,16.43 43.542,16.467 cw(c43.891,16.817) 43.541,17.167 cw(c43.891,16.817) 44.204,17.201 44.208,17.201 44.24,17.168 cw(c43.891,16.817) 44.242,17.167 44.512,16.897 ; 43.579,16.052 ccw(c43.391,16.241) 43.578,16.43 ; 44.512,16.896 ccw(c44.701,17.084) 44.888,17.274 44.618,17.543 cw(c44.968,17.894) 44.618,18.244 cw(c44.968,17.894) 45.281,18.278 45.284,18.277 45.317,18.245 cw(c44.968,17.894) 45.318,18.243 45.355,18.207 ccw(c45.544,18.394) 45.733,18.206 46.267,18.741 46.393,18.867 46.631,19.104 48.65,19.104 48.725,19.104 ccw(c48.725,19.231) 48.841,19.178 cw(c48.909,19.178) 48.909,19.246 49,19.246 cw(c49,19.178) 49.069,19.178 ccw(c49.184,19.231) 49.184,19.104 49.606,19.104 49.67,19.104 50.342,19.104 50.416,19.179 50.416,19.204 50.453,19.24 D8.5@50.635,19.24 50.818,19.24 50.854,19.204 50.854,19.179 50.928,19.104 51.177,19.104 51.251,19.179 51.251,19.204 51.287,19.24 D8.6@51.47,19.24 51.653,19.24 51.689,19.204 51.689,19.179 51.763,19.104 52.071,19.104 52.204,19.238 v1(52.28,19.238)
MIPI_D3_N: D10.1 D10.10 J1.27 J6.14 | length 41.3
  Top Copper w0.127: J1.27@18.46,15.4 18.72,15.4 18.806,15.486 19.705,15.486 19.838,15.352 v1(19.914,15.352) ; v1(52.28,20.242) 52.356,20.242 52.489,20.376 53.57,20.376 53.579,20.386 53.784,20.386 53.92,20.25 J6.14@54.57,20.25
  Bottom Layer w0.127: v1(19.914,15.352) 19.989,15.352 20.123,15.486 23.779,15.486 24.405,16.111 41.701,16.111 46.086,20.496 46.538,20.496 ccw(c46.538,20.991) 47.033,20.991 47.033,21.805 cw(c47.299,21.805) 47.299,22.071 cw(c47.299,21.805) 47.566,21.805 47.566,20.991 ccw(c48.061,20.991) 48.061,20.496 50.342,20.496 50.416,20.421 50.416,20.396 50.453,20.36 D10.1@50.635,20.36 50.818,20.36 50.854,20.396 50.854,20.421 50.928,20.496 51.177,20.496 51.251,20.421 51.251,20.396 51.287,20.36 D10.10@51.47,20.36 51.653,20.36 51.689,20.396 51.689,20.421 51.763,20.496 51.977,20.496 52.204,20.268 52.204,20.242 v1(52.28,20.242)
MIPI_D3_P: D10.2 D10.9 J1.29 J6.15 | length 41.4
  Top Copper w0.127: J1.29@18.46,15.8 18.72,15.8 18.806,15.714 19.705,15.714 19.838,15.848 v1(19.914,15.848) ; v1(52.28,20.738) 52.356,20.738 52.489,20.604 53.475,20.604 53.485,20.614 53.784,20.614 53.92,20.75 J6.15@54.57,20.75
  Bottom Layer w0.127: v1(19.914,15.848) 19.989,15.848 20.123,15.714 23.684,15.714 24.31,16.34 41.607,16.34 45.991,20.724 46.538,20.724 ccw(c46.538,20.991) 46.804,20.991 46.804,21.805 cw(c47.299,21.805) 47.299,22.3 cw(c47.299,21.805) 47.795,21.805 47.795,20.991 ccw(c48.061,20.991) 48.061,20.724 49.1,20.724 49.17,20.724 ccw(c49.17,20.854) 49.291,20.806 cw(c49.367,20.806) 49.367,20.882 49.519,20.882 cw(c49.519,20.806) 49.595,20.806 ccw(c49.715,20.854) 49.715,20.724 50.035,20.724 50.098,20.724 50.342,20.724 50.416,20.799 50.416,20.823 50.453,20.86 D10.2@50.635,20.86 50.818,20.86 50.854,20.823 50.854,20.799 50.928,20.724 51.177,20.724 51.251,20.799 51.251,20.823 51.287,20.86 D10.9@51.47,20.86 51.653,20.86 51.689,20.823 51.689,20.799 51.763,20.724 52.267,20.724 v1(52.28,20.738)
MODULE_nRST: B1.2 J1.39 J4.1 M1.1 | length 61.2
  Top Copper w0.127: M1.1@8.9,6.09 8.9,5.04 10.94,3 12.95,3 13.637,3.687 13.637,3.757 15.31,5.43 v1(15.79,5.43) ; v1(17.314,16.485) 17.365,16.536 17.365,16.978 18.042,17.655 18.055,17.655 18.2,17.8 J1.39@18.46,17.8
  Signal Layer 1 w0.127: v1(15.79,5.43) 17.215,6.855 17.215,16.166 17.315,16.266 17.315,16.484 v1(17.314,16.485)
  Layer 1 w0.127: v1(17.314,16.485) 17.365,16.536 17.365,17.791 16.496,18.66 16.496,19.877 10.017,26.356 10.017,34.885 14.283,39.15 v1(22.35,39.15)
  Bottom Layer w0.127: v1(22.35,39.15) 22.831,39.15 23.645,38.336 23.645,37.935 J4.1@23.55,37.84
NetD1_1: D1.1 M2.3 | length 2
  Top Copper w0.127: M2.3@9.5,14.81 10.56,14.81 D1.1@11.25,15.5
NetD1_2: D1.2 R3.1 | length 1.3
  Top Copper w0.127: D1.2@12.75,15.5 12.9,15.65 R3.1@12.9,16.7
NetD2_1: D2.1 M3.3 | length 22.3
  Top Copper w0.127: M3.3@9.425,10.01 10.068,10.01 v1(10.527,9.55) ; v1(10.9,14.3) 11.25,13.95 D2.1@11.25,12
  Signal Layer 1 w0.127: v1(10.527,9.55) 10.512,9.535 10.512,9.262 9.979,8.729 5.851,8.729 5.19,9.39 5.19,15.02 5.541,15.371 7.626,15.371 7.935,15.68 10.05,15.68 10.9,14.83 v1(10.9,14.3)
NetD2_2: D2.2 R4.1 | length 1.3
  Top Copper w0.127: R4.1@12.75,13.05 R4.1@12.9,13.2
  Top Copper w0.254: D2.2@12.75,12 R4.1@12.75,13.05
NetD4_1: D4.1 M1.3 | length 2.4
  Top Copper w0.127: M1.3@9.5,7.31 10.28,7.31 11.038,8.068 11.038,8.163 D4.1@11.375,8.5
NetD4_2: D4.2 R15.1 | length 1.3
  Top Copper w0.127: D4.2@12.75,8.5 12.75,9.55 R15.1@12.9,9.7
NetJ1_4: J1.4 R36.2 | length 43
  Top Copper w0.127: 19.83,5.69 18.92,6.6 18.92,8.86 20.66,10.6 J1.4@21.54,10.6 ; 19.831,5.69 20.35,5.171 v1(20.35,4.8)
  Signal Layer 1 w0.127: v1(20.35,4.8) 20.403,4.747 20.403,4.437 20.58,4.26 37.003,4.26 41.309,8.566 41.309,17.611 40.4,18.52 v1(40.4,18.98)
  Bottom Layer w0.127: v1(40.4,18.98) 40.4,18.465 40.607,18.259 R36.2@40.437,18.089
NetL1_1: L1.1 U1.4
NetM2_1: M2.1 R7.1 | length 2.4
  Top Copper w0.127: M2.1@8.9,13.59 R7.1@8.9,16
NetR6_2: R6.2 U2.1 U3.3 | length 6.1
  Bottom Layer w0.127: U3.3@6.3,32.48 6.3,33.192 6.908,33.8 9.851,33.8 10.45,33.201 U2.1@10.45,32.48
NetR10_1: R10.1 R12.1 R13.1 R14.2 | length 4.8
  Bottom Layer w0.127: R10.1@31.97,30.68 R13.1@33.6,30.68 35.17,30.68 35.2,30.65 R14.2@36.67,30.65 ; R10.1@31.99,30.85 R10.1@32.02,30.82
NetR185_1: R185.1 U61.2 | length 1.2
  Bottom Layer w0.127: U61.2@13.25,13.55 13.95,13.55 14.038,13.638 14.088,13.638 14.3,13.85 R185.1@14.3,13.9
NetR186_1: R186.1 TP41.1 U61.9 U62.11 | length 14.2
  Top Copper w0.127: v1(13.6,14.1) 13.6,13.39 16.13,10.86 16.13,8.89 15.43,8.19 14.05,8.19 v1(13.64,8.6)
  Bottom Layer w0.127: U62.11@12.05,16.725 12.05,16.532 12.631,15.951 12.824,15.951 13.189,15.586 13.239,15.586 13.45,15.375 13.45,14.87 13.614,14.706 13.6,14.691 v1(13.6,14.1) ; U61.9@13.25,10.05 13.25,9.85 13.64,9.46 v1(13.64,8.6)
NetR213_1: R213.1 RZ28.1 TP44.1 U62.7 | length 12.6
  Top Copper w0.127: v1(8.3,16.9) 9.675,16.9 TP44.1@10.365,17.591 10.365,18.486 10.747,18.868 11.457,18.868 12.906,17.419 13.16,17.419 13.547,17.032 14.053,17.032 14.14,17.12 v1(14.554,17.12)
  Bottom Layer w0.127: RZ28.1@7.7,17.5 7.7,17.45 8.25,16.9 R213.1@9.1,16.9 8.617,16.9 ; U62.7@12.9,17.825 13.996,17.825 14.501,17.32 14.501,17.173 v1(14.554,17.12)
NetR214_1: R214.1 RZ29.1 TP43.1 U62.8 | length 8.9
  Top Copper w0.127: v1(8.5,18.4) 9.197,19.097 11.551,19.097 12.823,17.825 13.275,17.825 13.7,17.4 v1(13.9,17.4)
  Bottom Layer w0.127: RZ29.1@7.7,18.6 8.286,18.6 8.486,18.4 v1(8.5,18.4) 9,18.4 R214.1@9.1,18.5 ; U62.8@12.9,17.425 12.913,17.412 13.888,17.412 v1(13.9,17.4)
NetTP10_1: TP10.1 U2.5 | length 6.8
  Top Copper w0.127: TP10.1@3.981,33.627 4.079,33.529 6.129,33.529 6.978,34.377 v1(8.317,34.377)
  Bottom Layer w0.127: v1(8.317,34.377) 8.619,34.377 8.907,34.09 9.635,34.09 9.705,34.16 9.705,34.585 U2.5@9.8,34.68
NetTP12_1: TP12.1 U3.5 | length 2.9
  Top Copper w0.127: TP12.1@5.6,34.377 5.614,34.377 6.936,35.7 v1(6.95,35.7)
  Bottom Layer w0.127: U3.5@6.95,34.68 v1(6.95,35.7)
NetTP42_1: TP42.1 U62.6 | length 1.5
  Top Copper w0.127: TP42.1@12.661,18.961 13.289,18.334 v1(13.35,18.334)
  Bottom Layer w0.127: U62.6@12.85,18.375 12.891,18.334 v1(13.35,18.334)
RXB_N: J14.B10 U61.18 | length 7.3
  Top Copper w0.158: J14.B10@5.95,13.75 v1(6.534,13.75)
  Bottom Layer w0.158: v1(6.534,13.75) 6.601,13.75 6.721,13.87 7.082,13.87 7.392,14.18 7.392,14.892 7.64,15.14 9.06,15.14 9.8,14.4 9.8,13.675 10.305,13.17 10.655,13.17 10.775,13.05 U61.18@10.95,13.05
RXB_P: J14.B11 U61.19 | length 7.3
  Top Copper w0.158: J14.B11@5.95,14.25 v1(6.534,14.25)
  Bottom Layer w0.158: v1(6.534,14.25) 6.601,14.25 6.721,14.13 6.974,14.13 7.132,14.288 7.132,15 7.533,15.4 9.167,15.4 10.06,14.508 10.06,13.783 10.413,13.43 10.655,13.43 10.775,13.55 U61.19@10.95,13.55
RXC_N: J14.A10 U61.14 | length 5.3
  Top Copper w0.158: J14.A10@7.25,10 7.319,9.931 7.933,9.931 8.321,10.319 8.321,11.109 v1@8.251,11.179
  Bottom Layer w0.158: v1(8.103,11.151) 8.11,11.151 8.418,10.843 9.147,10.843 9.474,11.17 10.389,11.17 10.463,11.096 10.904,11.096 U61.14@10.95,11.05
RXC_P: J14.A11 U61.15 | length 5.5
  Top Copper w0.158: J14.A11@7.25,9.5 7.45,9.5 7.569,9.619 7.878,9.619 7.989,9.619 ; 7.989,9.62 8.245,9.875 8.355,9.765 8.61,10.021 8.5,10.131 8.672,10.302 8.699,10.329 v1(8.699,11.227)
  Bottom Layer w0.158: v1(8.699,11.227) 8.746,11.179 9.116,11.179 9.367,11.43 10.287,11.43 10.407,11.55 U61.15@10.95,11.55 U61.15@11.012,11.55
SD_HST0_CD: J1.59 J3.7 | length 22.7
  Top Copper w0.127: v1(3.5,23.8) 2.655,22.955 2.655,19.96 2.983,19.632 4.339,19.632 5.558,20.85 15.023,20.85 15.972,21.8 J1.59@18.46,21.8
  Bottom Layer w0.127: J3.7@1.85,23.77 3.47,23.77 v1(3.5,23.8)
SD_HST0_CLK: J1.61 J3.1 | length 22.7
  Top Copper w0.127: v1(3.5,20) 4.906,21.406 5.096,21.406 5.357,21.406 cw(c5.357,21.285) 5.477,21.285 ccw(c5.611,21.285) 5.611,21.152 5.725,21.152 ccw(c5.725,21.285) 5.858,21.285 5.858,21.406 5.858,21.499 cw(c5.992,21.499) 5.992,21.633 6.106,21.633 cw(c6.106,21.499) 6.239,21.499 6.239,21.406 6.239,21.312 ccw(c6.373,21.312) 6.373,21.179 6.487,21.179 ccw(c6.487,21.312) 6.62,21.312 6.62,21.406 6.62,21.499 cw(c6.754,21.499) 6.754,21.633 6.868,21.633 cw(c6.868,21.499) 7.001,21.499 7.001,21.406 7.001,21.312 ccw(c7.135,21.312) 7.135,21.179 7.249,21.179 ccw(c7.249,21.312) 7.382,21.312 7.382,21.406 7.382,21.451 cw(c7.516,21.451) 7.516,21.584 7.63,21.584 cw(c7.63,21.451) 7.763,21.451 7.763,21.406 7.763,21.312 ccw(c7.897,21.312) 7.897,21.179 8.011,21.179 ccw(c8.011,21.312) 8.144,21.312 8.144,21.406 8.144,21.499 cw(c8.278,21.499) 8.278,21.633 8.392,21.633 cw(c8.392,21.499) 8.525,21.499 8.525,21.406 8.525,21.312 ccw(c8.659,21.312) 8.659,21.179 8.773,21.179 ccw(c8.773,21.312) 8.906,21.312 8.906,21.406 8.906,21.499 cw(c9.04,21.499) 9.04,21.633 9.154,21.633 cw(c9.154,21.499) 9.287,21.499 9.287,21.406 9.297,21.406 11.747,21.406 11.992,21.406 ccw(c11.992,21.526) 12.113,21.526 cw(c12.246,21.526) 12.246,21.66 12.361,21.66 cw(c12.361,21.526) 12.494,21.526 12.494,21.406 12.494,21.285 ccw(c12.627,21.285) 12.627,21.152 12.742,21.152 ccw(c12.742,21.285) 12.875,21.285 12.875,21.406 12.875,21.526 cw(c13.008,21.526) 13.008,21.66 13.123,21.66 cw(c13.123,21.526) 13.256,21.526 13.256,21.406 13.256,21.285 ccw(c13.389,21.285) 13.389,21.152 13.504,21.152 ccw(c13.504,21.285) 13.637,21.285 13.637,21.406 13.637,21.526 cw(c13.77,21.526) 13.77,21.66 13.885,21.66 cw(c13.885,21.526) 14.018,21.526 ccw(c14.139,21.526) 14.139,21.406 14.399,21.406 14.589,21.406 15.384,22.2 J1.61@18.46,22.2 J1.61@18.5,22.2
  Bottom Layer w0.127: J3.1@1.85,19.96 3.46,19.96 v1(3.5,20)